# EAGLE board Mk4 Final a Panel score 2x5 (EAGLE 9.0.1), part 9 of 29
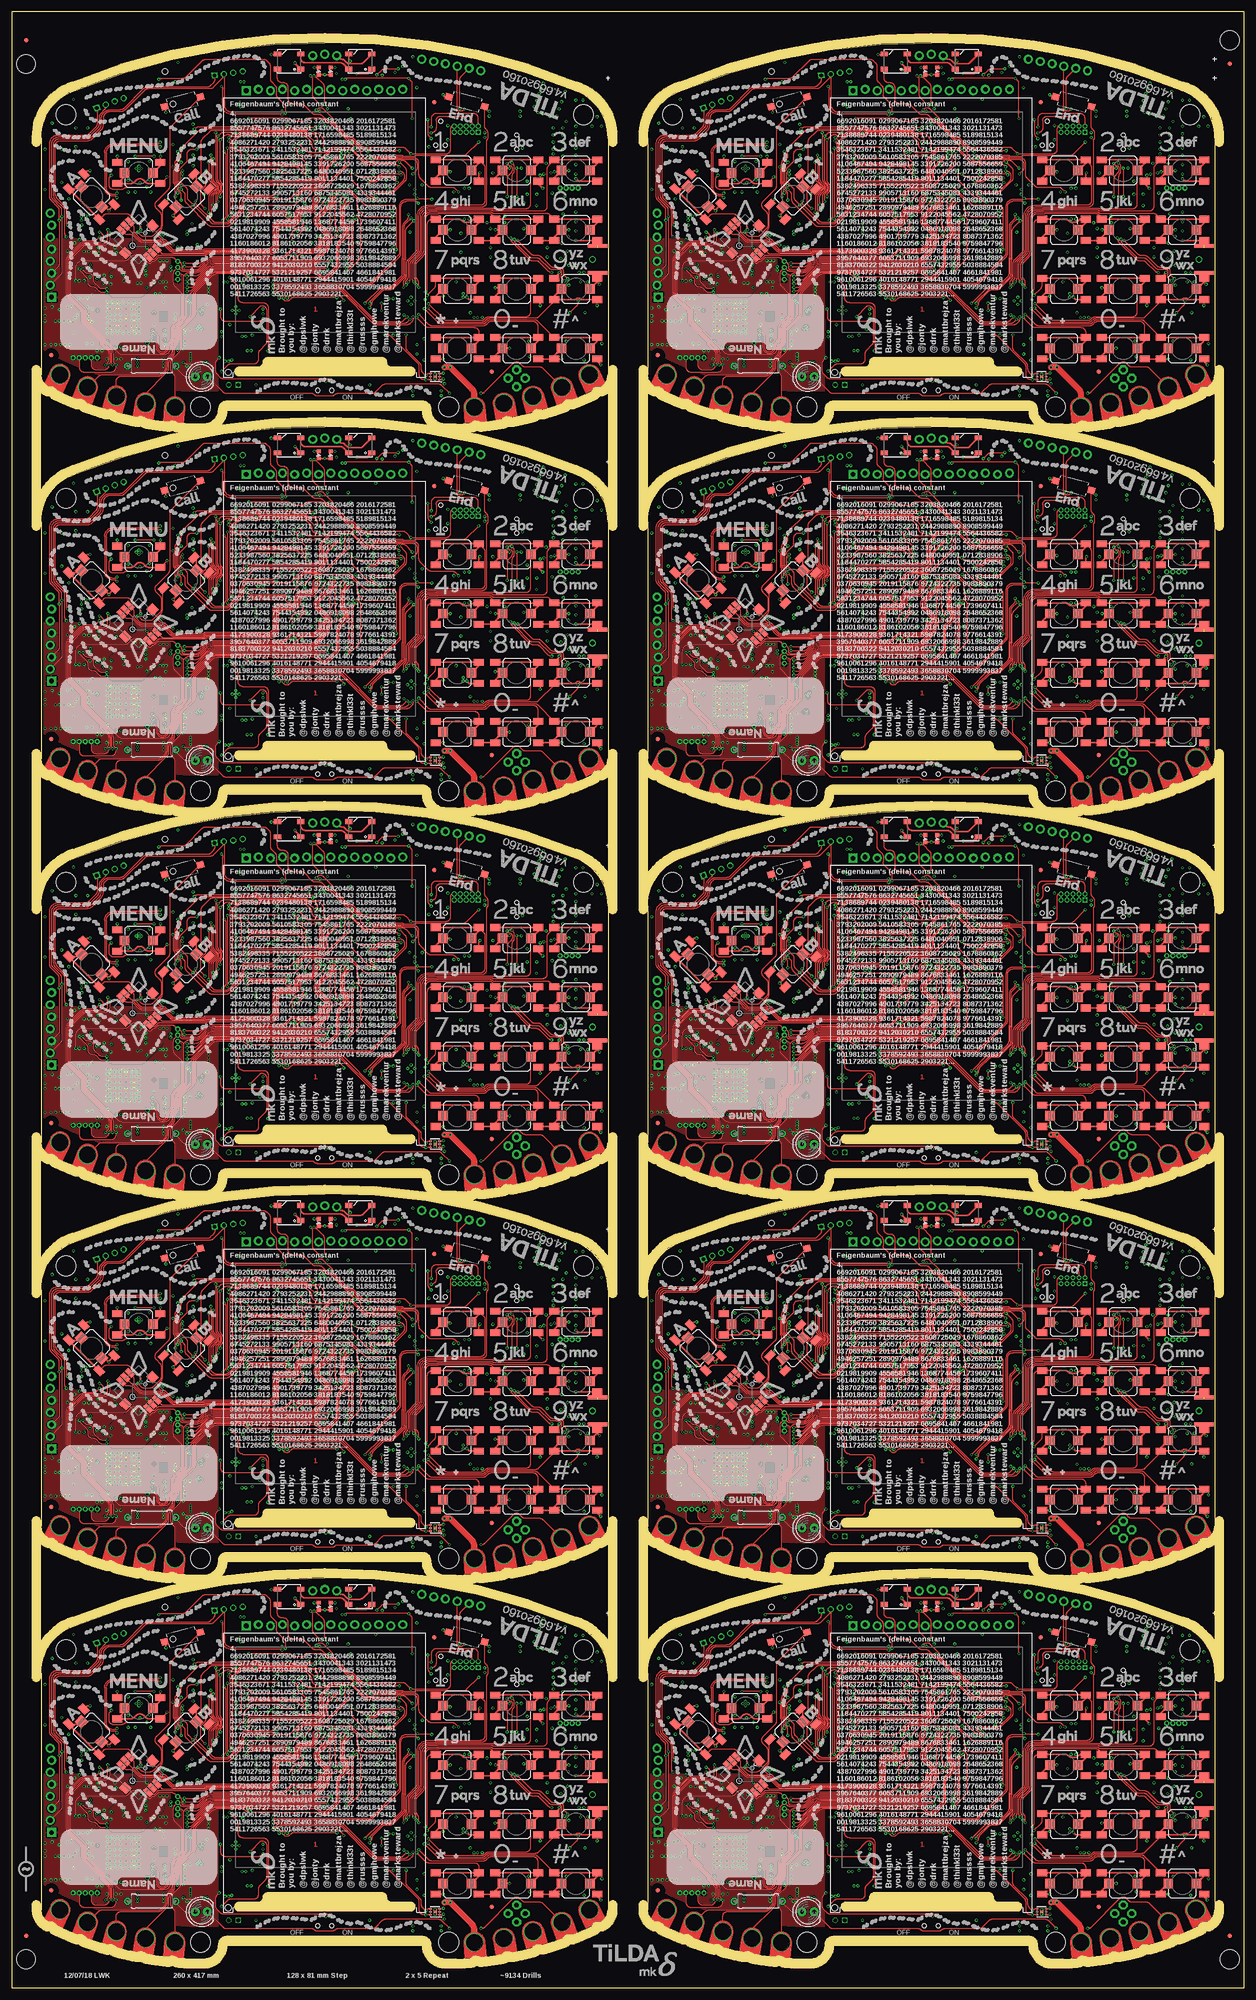
[diagram p0: board, top side]
## Tracks (layer width: path | path; a pad name or v marks a point on that pad's centre or on a via) (continued)
AIN6_SPK_ADC1  (via drill 0.3) (continued)
  Bottom 0.15: R127.2 216.75,58.4 arc90 215.75,59.4 214.6,59.4 | v209.7,59.4 214.6,59.4 | v204.8,54 203.71,54 arc45 203.35,53.85 203.25,53.75 arc-45 202.89,53.6 IC20.126 | IC26.7 214.68,59.33 214.6,59.4
AIN6_SPK_ADC2  (via drill 0.3)
  Top 0.15: v81.7,140.4 81.8,140.4 arc-90 82.8,139.4 82.8,139.01 arc-45 82.51,138.31 80.47,136.27 arc-45 79.76,135.97 76.83,135.97 76.75,136.05 arc45 76.39,136.2 76.1,136.2 arc90 75.6,135.7 75.6,135.5 arc90 76.1,135 v76.8,135
  Bottom 0.15: R205.2 88.75,139.4 arc90 87.75,140.4 86.6,140.4 | v81.7,140.4 86.6,140.4 | v76.8,135 75.71,135 arc45 75.35,134.85 75.25,134.75 arc-45 74.89,134.6 IC38.126 | IC44.7 86.67,140.32 86.6,140.4
AIN6_SPK_ADC3  (via drill 0.3)
  Top 0.15: v209.7,140.4 209.8,140.4 arc-90 210.8,139.4 210.8,139.01 arc-45 210.51,138.31 208.47,136.27 arc-45 207.76,135.97 204.82,135.97 204.75,136.05 arc45 204.39,136.2 204.1,136.2 arc90 203.6,135.7 203.6,135.5 arc90 204.1,135 v204.8,135
  Bottom 0.15: R283.2 216.75,139.4 arc90 215.75,140.4 214.6,140.4 | v209.7,140.4 214.6,140.4 | v204.8,135 203.71,135 arc45 203.35,134.85 203.25,134.75 arc-45 202.89,134.6 IC56.126 | IC62.7 214.68,140.32 214.6,140.4
AIN6_SPK_ADC4  (via drill 0.3)
  Top 0.15: v81.7,221.4 81.8,221.4 arc-90 82.8,220.4 82.8,220.01 arc-45 82.51,219.31 80.47,217.27 arc-45 79.76,216.97 76.83,216.97 76.75,217.05 arc45 76.39,217.2 76.1,217.2 arc90 75.6,216.7 75.6,216.5 arc90 76.1,216 v76.8,216
  Bottom 0.15: R361.2 88.75,220.4 arc90 87.75,221.4 86.6,221.4 | v81.7,221.4 86.6,221.4 | v76.8,216 75.71,216 arc45 75.35,215.85 75.25,215.75 arc-45 74.89,215.6 IC74.126 | IC80.7 86.67,221.32 86.6,221.4
AIN6_SPK_ADC5  (via drill 0.3)
  Top 0.15: v209.7,221.4 209.8,221.4 arc-90 210.8,220.4 210.8,220.01 arc-45 210.51,219.31 208.47,217.27 arc-45 207.76,216.97 204.82,216.97 204.75,217.05 arc45 204.39,217.2 204.1,217.2 arc90 203.6,216.7 203.6,216.5 arc90 204.1,216 v204.8,216
  Bottom 0.15: R439.2 216.75,220.4 arc90 215.75,221.4 214.6,221.4 | v209.7,221.4 214.6,221.4 | v204.8,216 203.71,216 arc45 203.35,215.85 203.25,215.75 arc-45 202.89,215.6 IC92.126 | IC98.7 214.68,221.32 214.6,221.4
AIN6_SPK_ADC6  (via drill 0.3)
  Top 0.15: v81.7,302.4 81.8,302.4 arc-90 82.8,301.4 82.8,301.01 arc-45 82.51,300.31 80.47,298.27 arc-45 79.76,297.98 76.83,297.98 76.75,298.05 arc45 76.39,298.2 76.1,298.2 arc90 75.6,297.7 75.6,297.5 arc90 76.1,297 v76.8,297
  Bottom 0.15: R517.2 88.75,301.4 arc90 87.75,302.4 86.6,302.4 | v81.7,302.4 86.6,302.4 | v76.8,297 75.71,297 arc45 75.35,296.85 75.25,296.75 arc-45 74.89,296.6 IC110.126 | IC116.7 86.67,302.32 86.6,302.4
AIN6_SPK_ADC7  (via drill 0.3)
  Top 0.15: v209.7,302.4 209.8,302.4 arc-90 210.8,301.4 210.8,301.01 arc-45 210.51,300.31 208.47,298.27 arc-45 207.76,297.98 204.82,297.98 204.75,298.05 arc45 204.39,298.2 204.1,298.2 arc90 203.6,297.7 203.6,297.5 arc90 204.1,297 v204.8,297
  Bottom 0.15: R595.2 216.75,301.4 arc90 215.75,302.4 214.6,302.4 | v209.7,302.4 214.6,302.4 | v204.8,297 203.71,297 arc45 203.35,296.85 203.25,296.75 arc-45 202.89,296.6 IC128.126 | IC134.7 214.68,302.32 214.6,302.4
AIN6_SPK_ADC8  (via drill 0.3)
  Top 0.15: v81.7,383.4 81.8,383.4 arc-90 82.8,382.4 82.8,382.01 arc-45 82.51,381.31 80.47,379.27 arc-45 79.76,378.98 76.83,378.98 76.75,379.05 arc45 76.39,379.2 76.1,379.2 arc90 75.6,378.7 75.6,378.5 arc90 76.1,378 v76.8,378
  Bottom 0.15: R673.2 88.75,382.4 arc90 87.75,383.4 86.6,383.4 | v81.7,383.4 86.6,383.4 | v76.8,378 75.71,378 arc45 75.35,377.85 75.25,377.75 arc-45 74.89,377.6 IC146.126 | IC152.7 86.67,383.32 86.6,383.4
AIN6_SPK_ADC9  (via drill 0.3)
  Top 0.15: v209.7,383.4 209.8,383.4 arc-90 210.8,382.4 210.8,382.01 arc-45 210.51,381.31 208.47,379.27 arc-45 207.76,378.98 204.82,378.98 204.75,379.05 arc45 204.39,379.2 204.1,379.2 arc90 203.6,378.7 203.6,378.5 arc90 204.1,378 v204.8,378
  Bottom 0.15: R751.2 216.75,382.4 arc90 215.75,383.4 214.6,383.4 | v209.7,383.4 214.6,383.4 | v204.8,378 203.71,378 arc45 203.35,377.85 203.25,377.75 arc-45 202.89,377.6 IC164.126 | IC170.7 214.68,383.32 214.6,383.4
AMP_!SHUTDOWN  (via drill 0.3)
  Top 0.15: v30,62.5 v26.05,62.5
  3V3@2 0.15: v54.75,58.5 54.75,58.05 54.55,57.85 54.55,49.55 v51.5,46.5
  Bottom 0.15: IC1.46 57.77,58 arc45 57.42,57.85 57.29,57.72 arc-45 56.94,57.58 55.88,57.58 arc-45 55.53,57.72 v54.75,58.5 | v51.5,46.5 51.09,46.91 arc45 50.39,47.2 37.78,47.2 arc-45 37.64,47.26 37.56,47.34 arc45 37.42,47.4 36.76,47.4 arc-45 36.06,47.69 35.54,48.21 arc-45 35.25,48.91 35.25,50.34 arc45 34.96,51.04 33.47,52.53 arc45 33.12,52.67 32.91,52.67 arc-90 32.17,53.41 arc45 31.88,54.12 31.79,54.21 arc-45 31.5,54.91 31.5,59.59 arc45 31.21,60.29 30.29,61.21 arc-45 30,61.91 v30,62.5
  Bottom 0.2: IC13.1 25.83,61.86 arc-45 26.05,62.4 v26.05,62.5 R74.1
AMP_!SHUTDOWN1  (via drill 0.3)
  Top 0.15: v158,62.5 v154.05,62.5
  3V3@2 0.15: v182.75,58.5 182.75,58.05 182.55,57.85 182.55,49.55 v179.5,46.5
  Bottom 0.15: IC20.46 185.78,58 arc45 185.42,57.85 185.29,57.72 arc-45 184.94,57.58 183.88,57.58 arc-45 183.53,57.72 v182.75,58.5 | v179.5,46.5 179.09,46.91 arc45 178.39,47.2 165.78,47.2 arc-45 165.64,47.26 165.56,47.34 arc45 165.42,47.4 164.76,47.4 arc-45 164.06,47.69 163.54,48.21 arc-45 163.25,48.91 163.25,50.34 arc45 162.96,51.04 161.47,52.53 arc45 161.12,52.67 160.91,52.67 arc-90 160.18,53.41 arc45 159.88,54.12 159.79,54.21 arc-45 159.5,54.91 159.5,59.59 arc45 159.21,60.29 158.29,61.21 arc-45 158,61.91 v158,62.5
  Bottom 0.2: IC28.1 153.82,61.86 arc-45 154.05,62.4 v154.05,62.5 R155.1
AMP_!SHUTDOWN2  (via drill 0.3)
  Top 0.15: v30,143.5 v26.05,143.5
  3V3@2 0.15: v54.75,139.5 54.75,139.05 54.55,138.85 54.55,130.55 v51.5,127.5
  Bottom 0.15: IC38.46 57.77,139 arc45 57.42,138.85 57.29,138.72 arc-45 56.94,138.57 55.88,138.57 arc-45 55.53,138.72 v54.75,139.5 | v51.5,127.5 51.09,127.91 arc45 50.39,128.2 37.78,128.2 arc-45 37.64,128.26 37.56,128.34 arc45 37.42,128.4 36.76,128.4 arc-45 36.06,128.69 35.54,129.21 arc-45 35.25,129.91 35.25,131.34 arc45 34.96,132.04 33.47,133.53 arc45 33.12,133.68 32.91,133.68 arc-90 32.17,134.41 arc45 31.88,135.12 31.79,135.21 arc-45 31.5,135.91 31.5,140.59 arc45 31.21,141.29 30.29,142.21 arc-45 30,142.91 v30,143.5
  Bottom 0.2: IC46.1 25.83,142.86 arc-45 26.05,143.4 v26.05,143.5 R233.1
AMP_!SHUTDOWN3  (via drill 0.3)
  Top 0.15: v158,143.5 v154.05,143.5
  3V3@2 0.15: v182.75,139.5 182.75,139.05 182.55,138.85 182.55,130.55 v179.5,127.5
  Bottom 0.15: IC56.46 185.78,139 arc45 185.42,138.85 185.29,138.72 arc-45 184.94,138.57 183.88,138.57 arc-45 183.53,138.72 v182.75,139.5 | v179.5,127.5 179.09,127.91 arc45 178.39,128.2 165.78,128.2 arc-45 165.64,128.26 165.56,128.34 arc45 165.42,128.4 164.76,128.4 arc-45 164.06,128.69 163.54,129.21 arc-45 163.25,129.91 163.25,131.34 arc45 162.96,132.04 161.47,133.53 arc45 161.12,133.68 160.91,133.68 arc-90 160.18,134.41 arc45 159.88,135.12 159.79,135.21 arc-45 159.5,135.91 159.5,140.59 arc45 159.21,141.29 158.29,142.21 arc-45 158,142.91 v158,143.5
  Bottom 0.2: IC64.1 153.82,142.86 arc-45 154.05,143.4 v154.05,143.5 R311.1
AMP_!SHUTDOWN4  (via drill 0.3)
  Top 0.15: v30,224.5 v26.05,224.5
  3V3@2 0.15: v54.75,220.5 54.75,220.05 54.55,219.85 54.55,211.55 v51.5,208.5
  Bottom 0.15: IC74.46 57.77,220 arc45 57.42,219.85 57.29,219.72 arc-45 56.94,219.57 55.88,219.57 arc-45 55.53,219.72 v54.75,220.5 | v51.5,208.5 51.09,208.91 arc45 50.39,209.2 37.78,209.2 arc-45 37.64,209.26 37.56,209.34 arc45 37.42,209.4 36.76,209.4 arc-45 36.06,209.69 35.54,210.21 arc-45 35.25,210.91 35.25,212.34 arc45 34.96,213.04 33.47,214.53 arc45 33.12,214.68 32.91,214.68 arc-90 32.17,215.41 arc45 31.88,216.12 31.79,216.21 arc-45 31.5,216.91 31.5,221.59 arc45 31.21,222.29 30.29,223.21 arc-45 30,223.91 v30,224.5
  Bottom 0.2: IC82.1 25.83,223.86 arc-45 26.05,224.4 v26.05,224.5 R389.1
AMP_!SHUTDOWN5  (via drill 0.3)
  Top 0.15: v158,224.5 v154.05,224.5
  3V3@2 0.15: v182.75,220.5 182.75,220.05 182.55,219.85 182.55,211.55 v179.5,208.5
  Bottom 0.15: IC92.46 185.78,220 arc45 185.42,219.85 185.29,219.72 arc-45 184.94,219.57 183.88,219.57 arc-45 183.53,219.72 v182.75,220.5 | v179.5,208.5 179.09,208.91 arc45 178.39,209.2 165.78,209.2 arc-45 165.64,209.26 165.56,209.34 arc45 165.42,209.4 164.76,209.4 arc-45 164.06,209.69 163.54,210.21 arc-45 163.25,210.91 163.25,212.34 arc45 162.96,213.04 161.47,214.53 arc45 161.12,214.68 160.91,214.68 arc-90 160.18,215.41 arc45 159.88,216.12 159.79,216.21 arc-45 159.5,216.91 159.5,221.59 arc45 159.21,222.29 158.29,223.21 arc-45 158,223.91 v158,224.5
  Bottom 0.2: IC100.1 153.82,223.86 arc-45 154.05,224.4 v154.05,224.5 R467.1
AMP_!SHUTDOWN6  (via drill 0.3)
  Top 0.15: v30,305.5 v26.05,305.5
  3V3@2 0.15: v54.75,301.5 54.75,301.05 54.55,300.85 54.55,292.55 v51.5,289.5
  Bottom 0.15: IC110.46 57.77,301 arc45 57.42,300.85 57.29,300.72 arc-45 56.94,300.57 55.88,300.57 arc-45 55.53,300.72 v54.75,301.5 | v51.5,289.5 51.09,289.91 arc45 50.39,290.2 37.78,290.2 arc-45 37.64,290.26 37.56,290.34 arc45 37.42,290.4 36.76,290.4 arc-45 36.06,290.69 35.54,291.21 arc-45 35.25,291.91 35.25,293.34 arc45 34.96,294.04 33.47,295.53 arc45 33.12,295.68 32.91,295.68 arc-90 32.17,296.41 arc45 31.88,297.12 31.79,297.21 arc-45 31.5,297.91 31.5,302.59 arc45 31.21,303.29 30.29,304.21 arc-45 30,304.91 v30,305.5
  Bottom 0.2: IC118.1 25.83,304.86 arc-45 26.05,305.4 v26.05,305.5 R545.1
AMP_!SHUTDOWN7  (via drill 0.3)
  Top 0.15: v158,305.5 v154.05,305.5
  3V3@2 0.15: v182.75,301.5 182.75,301.05 182.55,300.85 182.55,292.55 v179.5,289.5
  Bottom 0.15: IC128.46 185.78,301 arc45 185.42,300.85 185.29,300.72 arc-45 184.94,300.57 183.88,300.57 arc-45 183.53,300.72 v182.75,301.5 | v179.5,289.5 179.09,289.91 arc45 178.39,290.2 165.78,290.2 arc-45 165.64,290.26 165.56,290.34 arc45 165.42,290.4 164.76,290.4 arc-45 164.06,290.69 163.54,291.21 arc-45 163.25,291.91 163.25,293.34 arc45 162.96,294.04 161.47,295.53 arc45 161.12,295.68 160.91,295.68 arc-90 160.18,296.41 arc45 159.88,297.12 159.79,297.21 arc-45 159.5,297.91 159.5,302.59 arc45 159.21,303.29 158.29,304.21 arc-45 158,304.91 v158,305.5
  Bottom 0.2: IC136.1 153.82,304.86 arc-45 154.05,305.4 v154.05,305.5 R623.1
AMP_!SHUTDOWN8  (via drill 0.3)
  Top 0.15: v30,386.5 v26.05,386.5
  3V3@2 0.15: v54.75,382.5 54.75,382.05 54.55,381.85 54.55,373.55 v51.5,370.5
  Bottom 0.15: IC146.46 57.77,382 arc45 57.42,381.85 57.29,381.72 arc-45 56.94,381.57 55.88,381.57 arc-45 55.53,381.72 v54.75,382.5 | v51.5,370.5 51.09,370.91 arc45 50.39,371.2 37.78,371.2 arc-45 37.64,371.26 37.56,371.34 arc45 37.42,371.4 36.76,371.4 arc-45 36.06,371.69 35.54,372.21 arc-45 35.25,372.91 35.25,374.34 arc45 34.96,375.04 33.47,376.53 arc45 33.12,376.68 32.91,376.68 arc-90 32.17,377.41 arc45 31.88,378.12 31.79,378.21 arc-45 31.5,378.91 31.5,383.59 arc45 31.21,384.29 30.29,385.21 arc-45 30,385.91 v30,386.5
  Bottom 0.2: IC154.1 25.83,385.86 arc-45 26.05,386.4 v26.05,386.5 R701.1
AMP_!SHUTDOWN9  (via drill 0.3)
  Top 0.15: v158,386.5 v154.05,386.5
  3V3@2 0.15: v182.75,382.5 182.75,382.05 182.55,381.85 182.55,373.55 v179.5,370.5
  Bottom 0.15: IC164.46 185.78,382 arc45 185.42,381.85 185.29,381.72 arc-45 184.94,381.57 183.88,381.57 arc-45 183.53,381.72 v182.75,382.5 | v179.5,370.5 179.09,370.91 arc45 178.39,371.2 165.78,371.2 arc-45 165.64,371.26 165.56,371.34 arc45 165.42,371.4 164.76,371.4 arc-45 164.06,371.69 163.54,372.21 arc-45 163.25,372.91 163.25,374.34 arc45 162.96,375.04 161.47,376.53 arc45 161.12,376.68 160.91,376.68 arc-90 160.18,377.41 arc45 159.88,378.12 159.79,378.21 arc-45 159.5,378.91 159.5,383.59 arc45 159.21,384.29 158.29,385.21 arc-45 158,385.91 v158,386.5
  Bottom 0.2: IC172.1 153.82,385.86 arc-45 154.05,386.4 v154.05,386.5 R779.1
AMP_IN_N
  Bottom 0.2: 27.42,64.47 R58.2 27.45,63.55 R78.2 27.77,63.23 IC13.4
AMP_IN_N1
  Bottom 0.2: 155.43,64.47 R136.2 155.45,63.55 R154.2 155.78,63.23 IC28.4
AMP_IN_N2
  Bottom 0.2: 27.42,145.47 R214.2 27.45,144.55 R232.2 27.77,144.22 IC46.4
AMP_IN_N3
  Bottom 0.2: 155.43,145.47 R292.2 155.45,144.55 R310.2 155.78,144.22 IC64.4
AMP_IN_N4
  Bottom 0.2: 27.42,226.47 R370.2 27.45,225.55 R388.2 27.77,225.22 IC82.4
AMP_IN_N5
  Bottom 0.2: 155.43,226.47 R448.2 155.45,225.55 R466.2 155.78,225.22 IC100.4
AMP_IN_N6
  Bottom 0.2: 27.42,307.48 R526.2 27.45,306.55 R544.2 27.77,306.23 IC118.4
AMP_IN_N7
  Bottom 0.2: 155.43,307.48 R604.2 155.45,306.55 R622.2 155.78,306.23 IC136.4
AMP_IN_N8
  Bottom 0.2: 27.42,388.48 R682.2 27.45,387.55 R700.2 27.77,387.23 IC154.4
AMP_IN_N9
  Bottom 0.2: 155.43,388.48 R760.2 155.45,387.55 R778.2 155.78,387.23 IC172.4
AMP_IN_P
  Bottom 0.2: R57.2 R77.2 27.45,67.5 | J9.3 32.76,75.04 arc45 32.05,74.75 J9.2 30.1,72.8 29.8,72.8 27.74,70.74 arc45 27.45,70.04 27.45,67.5 | R75.2 27.45,67.5
AMP_IN_P1
  Bottom 0.2: R135.2 R153.2 155.45,67.5 | J17.3 160.76,75.04 arc45 160.05,74.75 J17.2 158.11,72.8 157.8,72.8 155.74,70.74 arc45 155.45,70.04 155.45,67.5 | R156.2 155.45,67.5
AMP_IN_P2
  Bottom 0.2: R213.2 R231.2 27.45,148.5 | J27.3 32.76,156.04 arc45 32.05,155.75 J27.2 30.1,153.8 29.8,153.8 27.74,151.74 arc45 27.45,151.04 27.45,148.5 | R234.2 27.45,148.5
AMP_IN_P3
  Bottom 0.2: R291.2 R309.2 155.45,148.5 | J37.3 160.76,156.04 arc45 160.05,155.75 J37.2 158.11,153.8 157.8,153.8 155.74,151.74 arc45 155.45,151.04 155.45,148.5 | R312.2 155.45,148.5
AMP_IN_P4
  Bottom 0.2: R369.2 R387.2 27.45,229.5 | J47.3 32.76,237.04 arc45 32.05,236.75 J47.2 30.1,234.8 29.8,234.8 27.74,232.74 arc45 27.45,232.04 27.45,229.5 | R390.2 27.45,229.5
AMP_IN_P5
  Bottom 0.2: R447.2 R465.2 155.45,229.5 | J57.3 160.76,237.04 arc45 160.05,236.75 J57.2 158.11,234.8 157.8,234.8 155.74,232.74 arc45 155.45,232.04 155.45,229.5 | R468.2 155.45,229.5
AMP_IN_P6
  Bottom 0.2: R525.2 R543.2 27.45,310.5 | J67.3 32.76,318.04 arc45 32.05,317.75 J67.2 30.1,315.8 29.8,315.8 27.74,313.74 arc45 27.45,313.04 27.45,310.5 | R546.2 27.45,310.5
AMP_IN_P7
  Bottom 0.2: R603.2 R621.2 155.45,310.5 | J77.3 160.76,318.04 arc45 160.05,317.75 J77.2 158.11,315.8 157.8,315.8 155.74,313.74 arc45 155.45,313.04 155.45,310.5 | R624.2 155.45,310.5
AMP_IN_P8
  Bottom 0.2: R681.2 R699.2 27.45,391.5 | J87.3 32.76,399.04 arc45 32.05,398.75 J87.2 30.1,396.8 29.8,396.8 27.74,394.74 arc45 27.45,394.04 27.45,391.5 | R702.2 27.45,391.5
AMP_IN_P9
  Bottom 0.2: R759.2 R777.2 155.45,391.5 | J97.3 160.76,399.04 arc45 160.05,398.75 J97.2 158.11,396.8 157.8,396.8 155.74,394.74 arc45 155.45,394.04 155.45,391.5 | R780.2 155.45,391.5
AMP_IN_R1_N
  Bottom 0.15: C106.1 R78.1
AMP_IN_R1_N1
  Bottom 0.15: C214.1 R154.1
AMP_IN_R1_N2
  Bottom 0.15: C322.1 R232.1
AMP_IN_R1_N3
  Bottom 0.15: C430.1 R310.1
AMP_IN_R1_N4
  Bottom 0.15: C538.1 R388.1
AMP_IN_R1_N5
  Bottom 0.15: C646.1 R466.1
AMP_IN_R1_N6
  Bottom 0.15: C754.1 R544.1
AMP_IN_R1_N7
  Bottom 0.15: C862.1 R622.1
AMP_IN_R1_N8
  Bottom 0.15: C970.1 R700.1
AMP_IN_R1_N9
  Bottom 0.15: C1078.1 R778.1
AMP_IN_R1_P
  Bottom 0.15: C105.1 R77.1
AMP_IN_R1_P1
  Bottom 0.15: C213.1 R153.1
AMP_IN_R1_P2
  Bottom 0.15: C321.1 R231.1
AMP_IN_R1_P3
  Bottom 0.15: C429.1 R309.1
AMP_IN_R1_P4
  Bottom 0.15: C537.1 R387.1
AMP_IN_R1_P5
  Bottom 0.15: C645.1 R465.1
AMP_IN_R1_P6
  Bottom 0.15: C753.1 R543.1
AMP_IN_R1_P7
  Bottom 0.15: C861.1 R621.1
AMP_IN_R1_P8
  Bottom 0.15: C969.1 R699.1
AMP_IN_R1_P9
  Bottom 0.15: C1077.1 R777.1
AMP_IN_R_N
  Bottom 0.2: R58.1 C82.1
AMP_IN_R_N1
  Bottom 0.2: R136.1 C183.1
AMP_IN_R_N2
  Bottom 0.2: R214.1 C291.1
AMP_IN_R_N3
  Bottom 0.2: R292.1 C399.1
AMP_IN_R_N4
  Bottom 0.2: R370.1 C507.1
AMP_IN_R_N5
  Bottom 0.2: R448.1 C615.1
AMP_IN_R_N6
  Bottom 0.2: R526.1 C723.1
AMP_IN_R_N7
  Bottom 0.2: R604.1 C831.1
AMP_IN_R_N8
  Bottom 0.2: R682.1 C939.1
AMP_IN_R_N9
  Bottom 0.2: R760.1 C1047.1
AMP_IN_R_P
  Bottom 0.2: R57.1 C83.1
AMP_IN_R_P1
  Bottom 0.2: R135.1 C184.1
AMP_IN_R_P2
  Bottom 0.2: R213.1 C292.1
AMP_IN_R_P3
  Bottom 0.2: R291.1 C400.1
AMP_IN_R_P4
  Bottom 0.2: R369.1 C508.1
AMP_IN_R_P5
  Bottom 0.2: R447.1 C616.1
AMP_IN_R_P6
  Bottom 0.2: R525.1 C724.1
AMP_IN_R_P7
  Bottom 0.2: R603.1 C832.1
AMP_IN_R_P8
  Bottom 0.2: R681.1 C940.1
AMP_IN_R_P9
  Bottom 0.2: R759.1 C1048.1
AMP_IN_TRS_P
  Bottom 0.2: J9.5 38.71,73.83 arc45 39,74.54 39,75.35 arc90 38,76.35 36.51,76.35 arc45 35.81,76.06 35.54,75.79 arc-45 34.84,75.5 30.08,75.5 J9.6 29.32,75.41 arc45 28.62,75.12 28.29,74.79 arc45 28,74.09 28,72.01 arc-45 27.71,71.31 26.79,70.39 arc45 26.5,69.69 R75.1 26.5,63.66 arc45 26.79,62.96 26.83,62.92 arc-45 27.12,62.21 IC13.3
AMP_IN_TRS_P1
  Bottom 0.2: J17.5 166.71,73.83 arc45 167,74.54 167,75.35 arc90 166,76.35 164.51,76.35 arc45 163.81,76.06 163.54,75.79 arc-45 162.84,75.5 158.08,75.5 J17.6 157.32,75.41 arc45 156.62,75.12 156.29,74.79 arc45 156,74.09 156,72.01 arc-45 155.71,71.31 154.79,70.39 arc45 154.5,69.69 R156.1 154.5,63.66 arc45 154.79,62.96 154.83,62.92 arc-45 155.12,62.21 IC28.3
AMP_IN_TRS_P2
  Bottom 0.2: J27.5 38.71,154.83 arc45 39,155.54 39,156.35 arc90 38,157.35 36.51,157.35 arc45 35.81,157.06 35.54,156.79 arc-45 34.84,156.5 30.08,156.5 J27.6 29.32,156.41 arc45 28.62,156.12 28.29,155.79 arc45 28,155.09 28,153.01 arc-45 27.71,152.31 26.79,151.39 arc45 26.5,150.69 R234.1 26.5,144.66 arc45 26.79,143.96 26.83,143.92 arc-45 27.12,143.21 IC46.3
AMP_IN_TRS_P3
  Bottom 0.2: J37.5 166.71,154.83 arc45 167,155.54 167,156.35 arc90 166,157.35 164.51,157.35 arc45 163.81,157.06 163.54,156.79 arc-45 162.84,156.5 158.08,156.5 J37.6 157.32,156.41 arc45 156.62,156.12 156.29,155.79 arc45 156,155.09 156,153.01 arc-45 155.71,152.31 154.79,151.39 arc45 154.5,150.69 R312.1 154.5,144.66 arc45 154.79,143.96 154.83,143.92 arc-45 155.12,143.21 IC64.3
AMP_IN_TRS_P4
  Bottom 0.2: J47.5 38.71,235.83 arc45 39,236.54 39,237.35 arc90 38,238.35 36.51,238.35 arc45 35.81,238.06 35.54,237.79 arc-45 34.84,237.5 30.08,237.5 J47.6 29.32,237.41 arc45 28.62,237.12 28.29,236.79 arc45 28,236.09 28,234.01 arc-45 27.71,233.31 26.79,232.39 arc45 26.5,231.69 R390.1 26.5,225.66 arc45 26.79,224.96 26.83,224.92 arc-45 27.12,224.21 IC82.3
AMP_IN_TRS_P5
  Bottom 0.2: J57.5 166.71,235.83 arc45 167,236.54 167,237.35 arc90 166,238.35 164.51,238.35 arc45 163.81,238.06 163.54,237.79 arc-45 162.84,237.5 158.08,237.5 J57.6 157.32,237.41 arc45 156.62,237.12 156.29,236.79 arc45 156,236.09 156,234.01 arc-45 155.71,233.31 154.79,232.39 arc45 154.5,231.69 R468.1 154.5,225.66 arc45 154.79,224.96 154.83,224.92 arc-45 155.12,224.21 IC100.3
AMP_IN_TRS_P6
  Bottom 0.2: J67.5 38.71,316.83 arc45 39,317.54 39,318.35 arc90 38,319.35 36.51,319.35 arc45 35.81,319.06 35.54,318.79 arc-45 34.84,318.5 30.08,318.5 J67.6 29.32,318.41 arc45 28.62,318.12 28.29,317.79 arc45 28,317.09 28,315.01 arc-45 27.71,314.31 26.79,313.39 arc45 26.5,312.69 R546.1 26.5,306.66 arc45 26.79,305.96 26.83,305.92 arc-45 27.12,305.21 IC118.3
AMP_IN_TRS_P7
  Bottom 0.2: J77.5 166.71,316.83 arc45 167,317.54 167,318.35 arc90 166,319.35 164.51,319.35 arc45 163.81,319.06 163.54,318.79 arc-45 162.84,318.5 158.08,318.5 J77.6 157.32,318.41 arc45 156.62,318.12 156.29,317.79 arc45 156,317.09 156,315.01 arc-45 155.71,314.31 154.79,313.39 arc45 154.5,312.69 R624.1 154.5,306.66 arc45 154.79,305.96 154.83,305.92 arc-45 155.12,305.21 IC136.3
AMP_IN_TRS_P8
  Bottom 0.2: J87.5 38.71,397.83 arc45 39,398.54 39,399.35 arc90 38,400.35 36.51,400.35 arc45 35.81,400.06 35.54,399.79 arc-45 34.84,399.5 30.08,399.5 J87.6 29.32,399.41 arc45 28.62,399.12 28.29,398.79 arc45 28,398.09 28,396.01 arc-45 27.71,395.31 26.79,394.39 arc45 26.5,393.69 R702.1 26.5,387.66 arc45 26.79,386.96 26.83,386.92 arc-45 27.12,386.21 IC154.3
AMP_IN_TRS_P9
  Bottom 0.2: J97.5 166.71,397.83 arc45 167,398.54 167,399.35 arc90 166,400.35 164.51,400.35 arc45 163.81,400.06 163.54,399.79 arc-45 162.84,399.5 158.08,399.5 J97.6 157.32,399.41 arc45 156.62,399.12 156.29,398.79 arc45 156,398.09 156,396.01 arc-45 155.71,395.31 154.79,394.39 arc45 154.5,393.69 R780.1 154.5,387.66 arc45 154.79,386.96 154.83,386.92 arc-45 155.12,386.21 IC172.3
BQ_!CE
  Bottom 0.15: R17.1 IC8.9
BQ_!CE1
  Bottom 0.15: R99.1 IC24.9
BQ_!CE2
  Bottom 0.15: R177.1 IC42.9
BQ_!CE3
  Bottom 0.15: R255.1 IC60.9
BQ_!CE4
  Bottom 0.15: R333.1 IC78.9
BQ_!CE5
  Bottom 0.15: R411.1 IC96.9
BQ_!CE6
  Bottom 0.15: R489.1 IC114.9
BQ_!CE7
  Bottom 0.15: R567.1 IC132.9
BQ_!CE8
  Bottom 0.15: R645.1 IC150.9
BQ_!CE9
  Bottom 0.15: R723.1 IC168.9
BQ_!INT  (via drill 0.3)
  Top 0.15: v67,53.2 67,52.66 arc-45 66.85,52.31 64.58,50.04 arc90 64.58,47.92 66.08,46.42 arc-45 66.3,45.89 66.3,45.53 arc-45 66.15,45.18 65.95,44.97 arc45 65.8,44.62 65.8,44.33 arc-45 65.29,43.09 64.81,42.61 arc-45 63.58,42.1 61.41,42.1 arc45 60.71,41.81 60.05,41.15 arc-90 59.35,41.15 v58.9,41.6
  Bottom 0.15: v67,53.2 IC1.14 | IC8.7 57.9,31.25 arc90 58.9,32.25 v58.9,41.6
BQ_!INT1  (via drill 0.3)
  Top 0.15: v195,53.2 195,52.66 arc-45 194.85,52.31 192.58,50.04 arc90 192.58,47.92 194.08,46.42 arc-45 194.3,45.89 194.3,45.53 arc-45 194.15,45.18 193.95,44.97 arc45 193.8,44.62 193.8,44.33 arc-45 193.29,43.09 192.81,42.61 arc-45 191.57,42.1 189.41,42.1 arc45 188.71,41.81 188.05,41.15 arc-90 187.35,41.15 v186.9,41.6
  Bottom 0.15: v195,53.2 IC20.14 | IC24.7 185.9,31.25 arc90 186.9,32.25 v186.9,41.6
BQ_!INT2  (via drill 0.3)
  Top 0.15: v67,134.2 67,133.67 arc-45 66.85,133.31 64.58,131.04 arc90 64.58,128.92 66.08,127.42 arc-45 66.3,126.89 66.3,126.53 arc-45 66.15,126.18 65.95,125.97 arc45 65.8,125.62 65.8,125.33 arc-45 65.29,124.09 64.81,123.61 arc-45 63.58,123.1 61.41,123.1 arc45 60.71,122.81 60.05,122.15 arc-90 59.35,122.15 v58.9,122.6
  Bottom 0.15: v67,134.2 IC38.14 | IC42.7 57.9,112.25 arc90 58.9,113.25 v58.9,122.6
BQ_!INT3  (via drill 0.3)
  Top 0.15: v195,134.2 195,133.67 arc-45 194.85,133.31 192.58,131.04 arc90 192.58,128.92 194.08,127.42 arc-45 194.3,126.89 194.3,126.53 arc-45 194.15,126.18 193.95,125.97 arc45 193.8,125.62 193.8,125.33 arc-45 193.29,124.09 192.81,123.61 arc-45 191.57,123.1 189.41,123.1 arc45 188.71,122.81 188.05,122.15 arc-90 187.35,122.15 v186.9,122.6
  Bottom 0.15: v195,134.2 IC56.14 | IC60.7 185.9,112.25 arc90 186.9,113.25 v186.9,122.6
BQ_!INT4  (via drill 0.3)
  Top 0.15: v67,215.2 67,214.66 arc-45 66.85,214.31 64.58,212.04 arc90 64.58,209.92 66.08,208.42 arc-45 66.3,207.89 66.3,207.53 arc-45 66.15,207.18 65.95,206.97 arc45 65.8,206.62 65.8,206.32 arc-45 65.29,205.09 64.81,204.61 arc-45 63.58,204.1 61.41,204.1 arc45 60.71,203.81 60.05,203.15 arc-90 59.35,203.15 v58.9,203.6
  Bottom 0.15: v67,215.2 IC74.14 | IC78.7 57.9,193.25 arc90 58.9,194.25 v58.9,203.6
BQ_!INT5  (via drill 0.3)
  Top 0.15: v195,215.2 195,214.66 arc-45 194.85,214.31 192.58,212.04 arc90 192.58,209.92 194.08,208.42 arc-45 194.3,207.89 194.3,207.53 arc-45 194.15,207.18 193.95,206.97 arc45 193.8,206.62 193.8,206.32 arc-45 193.29,205.09 192.81,204.61 arc-45 191.57,204.1 189.41,204.1 arc45 188.71,203.81 188.05,203.15 arc-90 187.35,203.15 v186.9,203.6
  Bottom 0.15: v195,215.2 IC92.14 | IC96.7 185.9,193.25 arc90 186.9,194.25 v186.9,203.6
BQ_!INT6  (via drill 0.3)
  Top 0.15: v67,296.2 67,295.67 arc-45 66.85,295.31 64.58,293.04 arc90 64.58,290.92 66.08,289.42 arc-45 66.3,288.89 66.3,288.53 arc-45 66.15,288.18 65.95,287.97 arc45 65.8,287.62 65.8,287.32 arc-45 65.29,286.09 64.81,285.61 arc-45 63.58,285.1 61.41,285.1 arc45 60.71,284.81 60.05,284.15 arc-90 59.35,284.15 v58.9,284.6
  Bottom 0.15: v67,296.2 IC110.14 | IC114.7 57.9,274.25 arc90 58.9,275.25 v58.9,284.6
BQ_!INT7  (via drill 0.3)
  Top 0.15: v195,296.2 195,295.67 arc-45 194.85,295.31 192.58,293.04 arc90 192.58,290.92 194.08,289.42 arc-45 194.3,288.89 194.3,288.53 arc-45 194.15,288.18 193.95,287.97 arc45 193.8,287.62 193.8,287.32 arc-45 193.29,286.09 192.81,285.61 arc-45 191.57,285.1 189.41,285.1 arc45 188.71,284.81 188.05,284.15 arc-90 187.35,284.15 v186.9,284.6
  Bottom 0.15: v195,296.2 IC128.14 | IC132.7 185.9,274.25 arc90 186.9,275.25 v186.9,284.6
BQ_!INT8  (via drill 0.3)
  Top 0.15: v67,377.2 67,376.67 arc-45 66.85,376.31 64.58,374.04 arc90 64.58,371.92 66.08,370.42 arc-45 66.3,369.89 66.3,369.53 arc-45 66.15,369.18 65.95,368.97 arc45 65.8,368.62 65.8,368.32 arc-45 65.29,367.09 64.81,366.61 arc-45 63.58,366.1 61.41,366.1 arc45 60.71,365.81 60.05,365.15 arc-90 59.35,365.15 v58.9,365.6
  Bottom 0.15: v67,377.2 IC146.14 | IC150.7 57.9,355.25 arc90 58.9,356.25 v58.9,365.6
BQ_!INT9  (via drill 0.3)
  Top 0.15: v195,377.2 195,376.67 arc-45 194.85,376.31 192.58,374.04 arc90 192.58,371.92 194.08,370.42 arc-45 194.3,369.89 194.3,369.53 arc-45 194.15,369.18 193.95,368.97 arc45 193.8,368.62 193.8,368.32 arc-45 193.29,367.09 192.81,366.61 arc-45 191.57,366.1 189.41,366.1 arc45 188.71,365.81 188.05,365.15 arc-90 187.35,365.15 v186.9,365.6
  Bottom 0.15: v195,377.2 IC164.14 | IC168.7 185.9,355.25 arc90 186.9,356.25 v186.9,365.6
BQ_!QON  (via drill 0.3)
  Top 0.15: v50.25,28.7 52.41,30.86 arc-45 52.75,31 arc-90 53.75,30 53.75,23.41 arc-45 53.46,22.71 52.29,21.54 arc45 52,20.84 52,19.65 arc-90 51,18.65 46.16,18.65 arc45 45.46,18.36 v44.25,17.15
  Bottom 0.15: IC8.12 50.2,28.75 v50.25,28.7 | JP3.2 44.54,15.46 arc-45 44.25,16.16 v44.25,17.15
BQ_!QON1  (via drill 0.3)